# KiCad board rosco_m68k.kicad_pcb (continued)
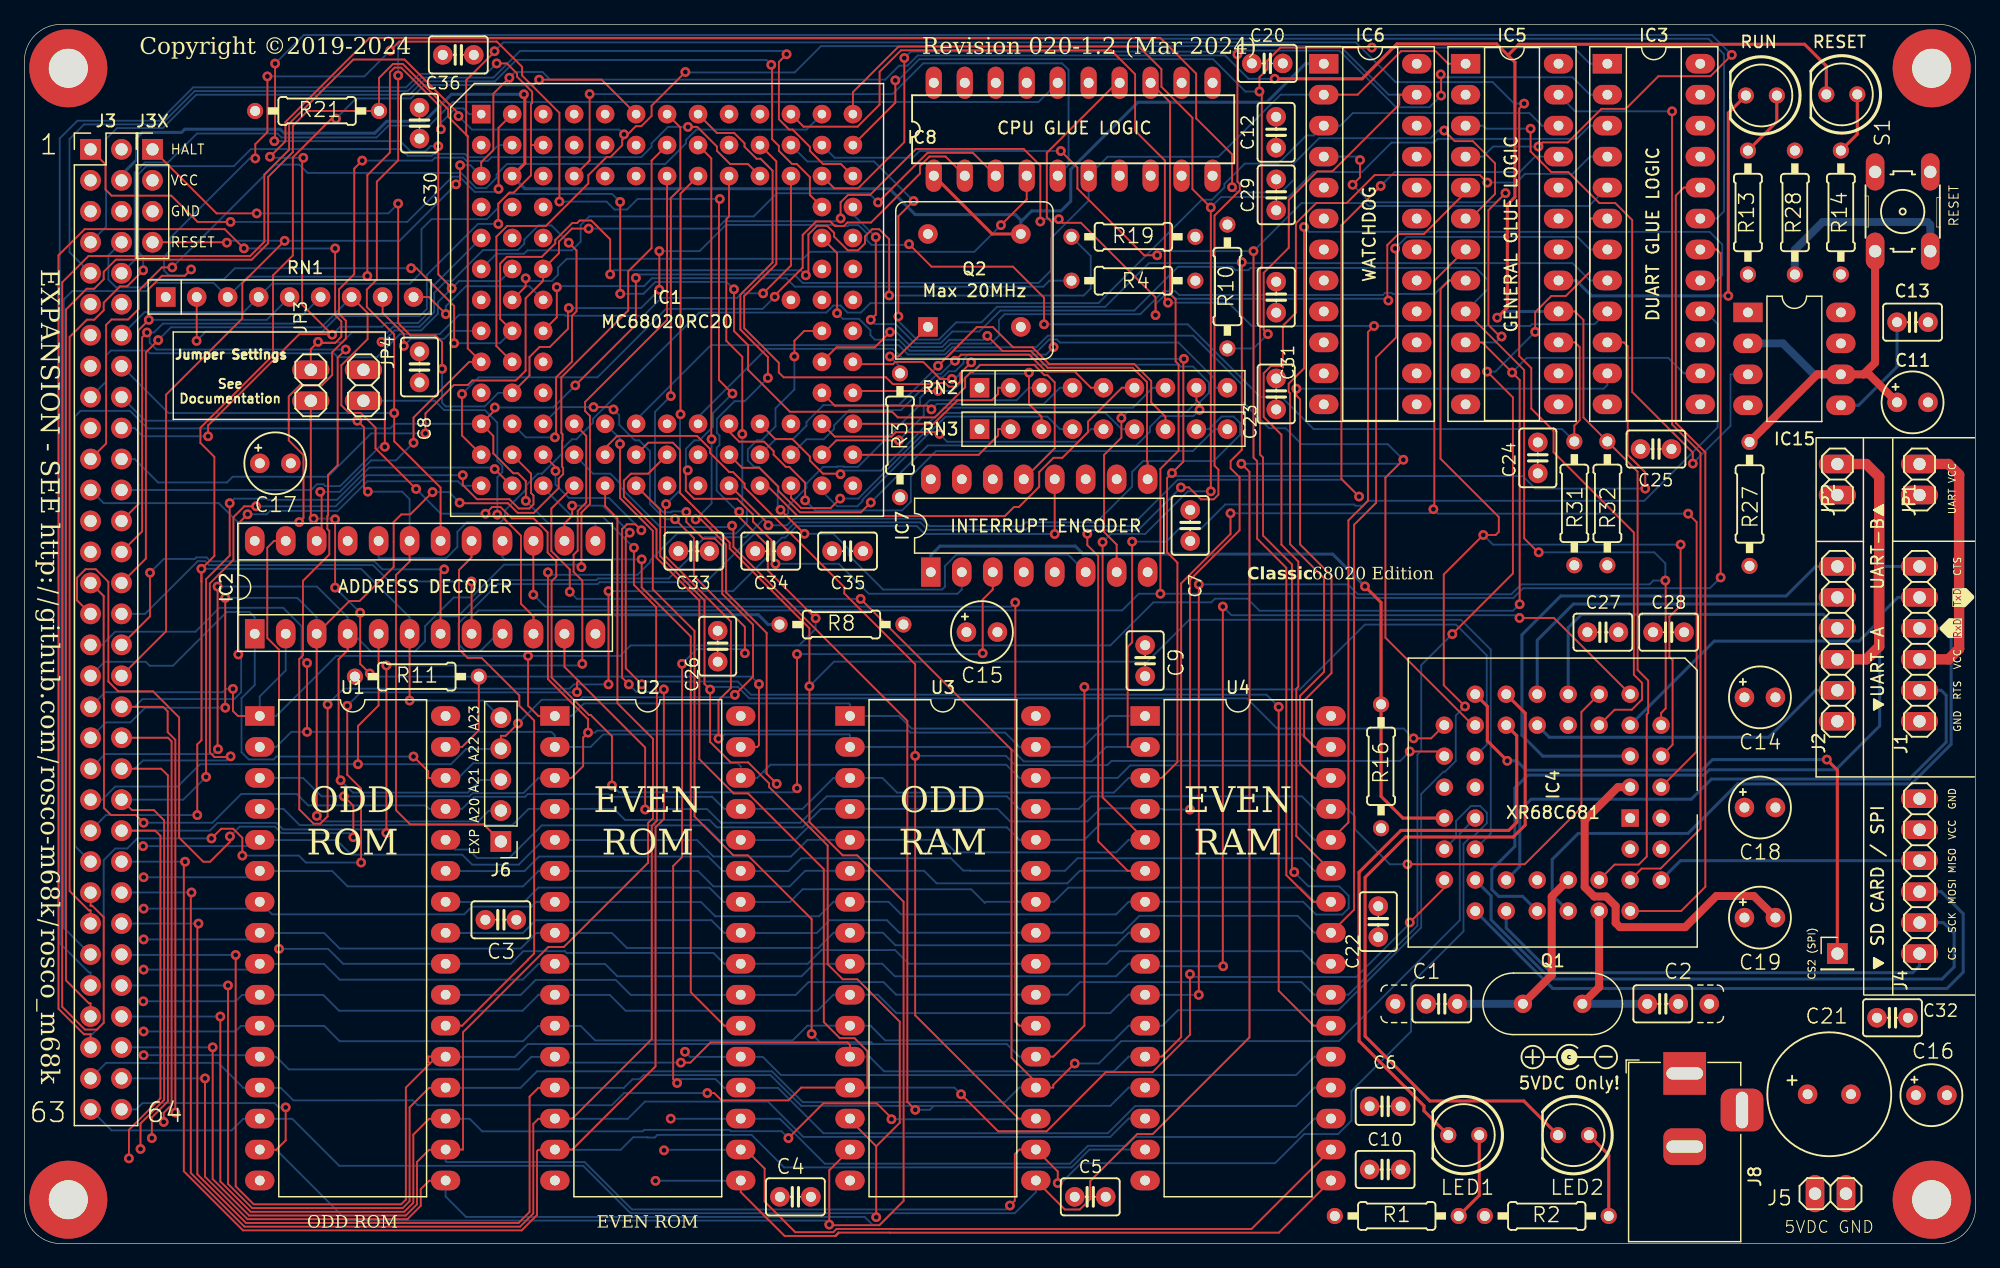
[diagram p0: board, top side]
## Routing (per net, layer and track width the routed paths; a pad name or vN(x,y) marks a point on that pad's centre or on a via; arc(x,y) is an arc through that point) (continued)
D10: length 191.3
  Top w0.152: U2.15 44.93,7.72 51.75,14.54 51.75,34.14 52.43,34.82 v1(52.43,45.46) ; v1(49.56,45.87) 49.01,46.42 49.01,58.6 49.4,59 50.1,59 v1(50.59,58.51) ; 43.48,7.7 42.15,7.7 42.03,7.58 42.03,2.35 40.77,1.09 17.92,1.09 13.07,5.94 13.07,31.22 v1(13.17,31.32) ; IC1.M3 43.55,63.69 v1(43.55,63.37)
  Bottom w0.152: v1(52.43,45.46) 52.22,45.24 50.19,45.24 v1(49.56,45.87) ; v1(43.55,63.37) 43.55,62.25 44.65,61.15 47.95,61.15 v1(50.59,58.51) ; 43.52,7.7 48.9,7.7 49.92,8.72 51.1,8.72 51.12,8.7 51.69,8.7 51.9,8.92 59.63,8.92 62.3,6.25 85.87,6.25 87.34,7.72 U4.15 ; v1(13.17,31.32) 7.97,31.32
D11: length 210.7
  Top w0.152: v1(45.75,47.56) 45.75,54.38 45.03,55.09 45.03,56.5 45.37,56.84 45.37,60.09 46.07,60.79 46.07,66.25 IC1.L4 ; 7.96,33.87 10.73,33.87 11.16,33.44 11.16,11.92 8.57,9.33 v1(8.57,6.99) ; U4.17 102.86,0.9 70.95,0.9 70.95,0.9 66.75,0.9 ; U2.17 58.74,4.22 62.33,0.63 66.48,0.63 66.75,0.9 ; 66.75,0.9 66.53,0.63 66.75,0.85 66.75,0.9 ; v1(29.68,47.42) v1(29.68,33.69)
  Route15 w0.152: v1(51.75,5.15) 51.75,6.17 49.02,8.9 31.89,8.9 31.55,9.25 22.8,9.25 22.4,8.84 13.12,8.84 11.27,6.99 v1(8.57,6.99)
  Bottom w0.152: 58.72,5.16 51.76,5.16 v1(51.75,5.15) ; v1(29.68,33.69) 29.4,33.97 21.21,33.97 20.68,34.5 15.83,34.5 15.2,33.87 7.96,33.87 ; v1(45.75,47.56) 45.61,47.42 v1(29.68,47.42)
D12: length 193.9
  Top w0.152: U4.18 100.62,1.2 71.2,1.2 71.2,1.2 66.6,1.2 66.33,0.94 63.21,0.94 60.7,3.45 60.7,6.16 59.14,7.72 ; 7.96,36.41 8.81,35.56 10.61,35.56 11.46,34.71 11.46,11.79 9.52,9.85 v1(9.52,7.76) ; v1(16.83,60.73) 16.83,56.43 14.9,54.5 v1(14.9,38.28) ; v1(38.56,63.53) 39.93,62.16
  Route15 w0.152: v1(52.45,7.65) 50.7,7.65 49.14,9.21 32.02,9.21 31.67,9.55 22.67,9.55 22.27,9.15 12.99,9.15 11.61,7.76 v1(9.52,7.76)
  Bottom w0.152: v1(38.56,63.53) 38.43,63.65 28.28,63.65 25.63,61.01 19.98,61.01 19.89,61.1 17.21,61.1 v1(16.83,60.73) ; 58.72,7.7 52.5,7.7 v1(52.45,7.65) ; 7.96,36.41 13.03,36.41 v1(14.9,38.28)
D13: length 200.1
  Top w0.152: v1(16.91,39.96) 16.85,39.9 15.59,39.9 15.2,40.29 15.2,54.15 17.14,56.08 17.14,59.58 18.03,60.47 v1(19,60.47) ; v1(10.45,8.66) 10.45,10.35 11.77,11.66 11.77,38.4 11.22,38.95 7.96,38.95 ; v1(35.94,63.03) 35.94,62.22 37.11,61.05 39.77,61.05 40.54,60.29 41.39,60.29 41.75,60.64 41.75,61.36 41.55,61.56 41.55,63.15 IC1.M2
  Route15 w0.152: v1(53,10.25) 51.37,11.88 50.19,11.88 50.06,11.75 28.18,11.75 28.02,11.9 21.22,11.9 21.04,11.72 15.14,11.72 12.07,8.66 v1(10.45,8.66)
  Bottom w0.152: v1(53,10.25) 53.01,10.24 61.95,10.24 65.63,6.56 85.74,6.56 87.21,8.02 90.35,8.02 91.07,8.75 104.28,8.75 105.79,10.26 U4.19 ; v1(19,60.47) 25.53,60.47 28.08,63.03 v1(35.94,63.03) ; 7.96,38.95 9.04,38.95 9.72,39.62 16.57,39.62 v1(16.91,39.96)
D14: length 209.7
  Top w0.152: v1(59.08,48.42) 59.08,50.58 54.9,54.76 54.9,57.87 v1(53.35,59.41) ; v1(11.42,9.98) 11.42,10.73 12.07,11.38 12.07,41.2 11.78,41.49 7.96,41.49 ; v1(53.52,13.18) 53.2,13.5 53.2,30.98 53.93,31.71 v1(53.93,47.56) ; v1(48.31,68.41) 48.11,68.61 v1(46.67,68.61)
  Route15 w0.152: v1(11.42,9.98) 11.82,9.58 12.56,9.58 16.88,13.89 48.33,13.89 48.71,14.28 52.42,14.28 v1(53.52,13.18)
  Bottom w0.152: v1(46.67,68.61) 43.91,68.61 IC1.L3 ; U4.20 105.79,12.8 104.28,11.28 91.07,11.28 88.84,9.06 65.51,9.06 61.79,12.78 57.39,12.78 56.66,13.5 53.85,13.5 v1(53.52,13.18) ; v1(59.08,48.42) 58.74,48.76 55.13,48.76 v1(53.93,47.56) ; v1(48.31,68.41) 48.77,67.95 48.77,67.16 50.05,65.89 50.41,65.89 51.29,65 51.29,60.66 52.54,59.41 v1(53.35,59.41)
D15: length 181.1
  Top w0.152: v1(17.55,48.32) 17.55,59.07 v1(18.3,59.82) ; 7.96,44.03 9.17,44.03 9.17,44.02 11.38,44.02 11.75,43.65 11.75,41.95 12.38,41.32 v1(12.38,10.75)
  Route15 w0.152: v1(12.38,10.75) 13.3,10.75 16.75,14.2 48.2,14.2 49.74,15.74 v1(54.17,15.74)
  Bottom w0.152: v1(54.17,15.74) 54.59,15.32 60.55,15.32 62.04,13.82 104.28,13.82 105.79,15.34 U4.21 ; v1(17.55,48.32) 17.78,48.09 17.78,45.23 17.21,44.67 9.68,44.67 9.04,44.03 7.96,44.03 ; v1(18.3,59.82) 19.87,59.82 20.14,60.1 25.7,60.1 28.12,62.52 35.56,62.52 35.92,62.16 IC1.N1
DBEN: length 13
  Top w0.152: v1(34.56,76.24) 33.16,77.64 RN1.9
  Bottom w0.152: IC1.G3 41.42,78.52 36.2,78.52 34.56,76.88 v1(34.56,76.24)
DS: length 57.9
  Top w0.152: v1(61.53,77.66) 61.53,77.76 63.82,80.05 63.82,82.73 64.92,83.84 66.08,83.84 66.46,83.46 67.19,83.46 67.48,83.75 69.43,83.75 73.44,87.76 73.44,88.39 74.21,89.16 75.54,89.16 IC8.2 ; v1(35.88,69.68) 35.88,66.28 IC1.M1
  Bottom w0.152: v1(61.53,77.66) 60.53,76.67 52.61,76.67 46.99,71.05 37.25,71.05 v1(35.88,69.68)
DSACK0: length 47
  Top w0.152: v1(43.66,78.45) 43.66,75.98 IC1.H3
  Bottom w0.152: v1(43.66,78.45) 43.74,78.53 50.81,78.53 51.46,79.18 62.48,79.18 63.17,78.49 83.56,78.49 84.05,78.98 R4.1
DTACK: length 303.2
  Top w0.152: 24.37,58.05 24.37,61.55 v1(24.26,61.66) ; J3.57 5.42,19.71 5.29,19.71 3.4,21.59 3.4,76.61 5.11,78.32 5.73,78.32 6.5,79.09 6.5,79.7 7.5,80.7 18.64,80.7 19.99,82.05 19.99,87.5 22.01,89.52 22.01,91.69 23.22,92.9 R21.2 29.08,95.61 30.23,96.76 31.02,96.76 34.75,93.04 34.75,92.43 35.76,91.42 35.76,91.42 36.29,90.89 ; v1(38.55,97.8) 38.55,97.75 36.23,95.42 36.23,90.95 36.29,90.89 ; v1(31.91,65.69) 31.91,67.75 36.48,72.32 IC1.J1 36.36,73.42 36.36,90.82 36.29,90.89 ; v1(122.97,93.5) 122.58,93.11 122.58,72.8 123.57,71.81 123.57,68.49 125.39,66.66 125.39,64.91 131.98,58.33 131.98,46.66 132.64,45.99 132.64,44.63 131.81,43.79 130.4,43.79 IC4.10
  Bottom w0.152: v1(31.91,65.69) 30.46,64.24 28.43,64.24 25.85,61.66 v1(24.26,61.66) ; v1(38.55,97.8) 39.28,98.52 109.18,98.52 112.43,95.26 120.4,95.26 122.16,93.5 v1(122.97,93.5)
DUAIACK: length 78.2
  Top w0.152: IC4.41 132.61,30.76 134.17,30.76 137.44,34.03 137.44,64.86 135.11,67.19 135.11,92.87 v1(135.11,92.87)
  Bottom w0.152: 126.48,93.55 127.16,92.87 v1(135.11,92.87) ; 126.48,93.55 IC5.23 126.48,93.55
DUAIRQ: length 62.4
  Top w0.25: v1(109.93,53.91) 111.25,52.59 R16.2 111.25,36.69 113.03,34.9 IC4.24
  Bottom w0.25: v1(109.93,53.91) 107.28,56.55 86.83,56.55 86.18,57.21 75.08,57.21 74.32,56.46 IC7.1
DUASEL: length 67
  Top w0.152: IC4.39 135.86,27.28 137.84,29.26 137.84,64.89 135.41,67.32 135.41,85.96 136.07,86.62 IC3.20
E: length 87.7
  Bottom w0.152: IC8.16 83.16,93.64 35.14,93.64 33.2,91.7 29.85,91.7 28.88,90.73 21.08,90.73 20.75,91.05 14.15,91.05 11.77,88.67 9.87,88.67 9.05,87.85 9.05,80.67 7.96,79.59
EVENRAMSEL: length 103.8
  Top w0.152: IC2.14 44.29,59.07 44.92,59.7 v1(44.92,60.53) ; v1(102.85,44.02) 102.85,20.74 105.71,17.88 U4.22 ; v1(50.63,45.87) 49.31,47.19 49.31,57.99 v1(49.64,58.31)
  Bottom w0.152: v1(102.85,44.02) 101.85,45.03 59.57,45.03 58.49,46.1 50.86,46.1 v1(50.63,45.87) ; v1(44.92,60.53) 47.43,60.53 v1(49.64,58.31)
EVENROMSEL: length 55.2
  Top w0.152: U2.22 57.39,17.88 54.64,20.62 54.64,49.8 50.62,53.82 50.62,56.12 v1(50.62,56.12)
  Bottom w0.152: v1(50.62,56.12) 39.37,56.12 39.21,56.29 IC2.16
EXPSEL: length 65.6
  Top w0.152: IC2.19 31.59,55.95 30.47,54.83 30.47,35.55 31.63,34.39 37.66,34.39 J6.1 ; v1(28.16,61.68) 27.84,62 27.84,66.95 v1(27.3,67.49)
  Bottom w0.152: v1(28.16,61.68) 30.98,61.68 31.59,61.07 IC2.19 ; 7.96,69.43 9.9,67.49 v1(27.3,67.49)
FC0: length 180.6
  Top w0.152: v1(116.42,91.29) 117.29,90.43 118.77,90.43 120.59,88.61 120.59,86.09 118.58,84.08 IC5.6 ; v1(22.87,89.06) 22.78,88.97 22.78,77.01 v1(25.24,74.55) ; v1(15.06,66.22) 15.06,67.11 22.54,74.59 25.2,74.59 ; v1(20.14,89.14) 21.4,90.41 21.4,91.99 28.31,98.89 93.15,98.89 96.08,95.96 96.08,92.29 99.03,89.34 v1(99.03,86.65)
  Bottom w0.152: 7.96,66.89 9.04,66.89 9.72,66.22 v1(15.06,66.22) ; v1(25.24,74.55) 25.89,75.2 29.34,75.2 29.64,75.51 32.28,75.51 33.3,76.53 33.3,78.32 IC1.E1 ; v1(116.42,91.29) 115.92,91.29 115.3,90.66 106.16,90.66 104.12,88.62 104.12,87.29 103.05,86.22 99.46,86.22 v1(99.03,86.65) ; v1(20.14,89.14) 20.22,89.06 v1(22.87,89.06)
FC1: length 145.9
  Top w0.152: v1(66.93,84.09) 66.93,85.41 67.53,86.01 69.34,86.01 73.11,89.78 81.94,89.78 83.31,88.41 v1(83.31,83.83) ; v1(111.85,77.35) 111.76,77.44 111.76,81.9 112.66,82.81 114.76,82.81 118.18,86.22 ; v1(32.89,66.45) 32.89,68.09 35.22,70.42 36.35,70.42 36.73,70.8 40.3,70.8 41.1,71.6 41.1,77.54 42.54,78.98 IC1.F3 43.84,81.24 43.84,82.19 44.9,83.25 v1(46.27,83.25) ; v1(92.75,76.16) 92.75,77.61 86.64,83.73 85.12,83.73 v1(84.82,84.02)
  Bottom w0.152: 7.96,64.35 9.04,64.35 10.96,62.43 16.61,62.43 17.08,62.9 24.88,62.9 28.44,66.45 v1(32.89,66.45) ; v1(84.82,84.02) 83.5,84.02 v1(83.31,83.83) ; v1(66.93,84.09) 66.7,83.86 57.39,83.86 56.78,83.25 v1(46.27,83.25) ; v1(92.75,76.16) 92.75,76.16 92.75,77.05 93.51,77.81 94.1,77.81 94.4,77.5 111.7,77.5 v1(111.85,77.35)
FC2: length 224.5
  Top w0.152: v1(29.55,65.36) 29.55,73.7 v1(29.29,73.96) ; v1(35.04,78.35) 34.76,78.63 34.76,78.67 33.94,79.5 v1(33.94,90.01) ; v1(124.15,89.98) 124.49,90.32 126.56,90.32 129.32,93.07 131.31,93.07 133.98,95.75 138.25,95.75 v1(140,97.5) ; v1(20.56,96.79) 20.56,90.49 v1(20.49,90.42)
  Bottom w0.152: v1(20.56,96.79) 22.9,99.13 138.38,99.13 v1(140,97.5) ; v1(124.15,89.98) 120.43,89.98 119.61,89.16 IC5.4 ; v1(33.94,90.01) 33.31,90.01 32.88,89.58 31.66,89.58 30.82,90.42 v1(20.49,90.42) ; IC1.F2 39.01,78.95 35.64,78.95 v1(35.04,78.35) 33.91,77.22 33.91,76.28 32.53,74.9 30.36,74.9 29.42,73.96 v1(29.29,73.96) ; v1(29.55,65.36) 29.12,65.36 25.89,62.13 24.68,62.13 24.52,62.29 24,62.29 23.52,61.81 7.96,61.81
HALT: length 163.4
  Top w0.152: v1(34.25,71.75) 34.25,73.95 33.7,74.5 31.65,74.5 30.65,75.5 v1(30.65,85.3) ; IC1.K2 41.42,71.2 41.42,72.72 42.25,73.55 43.09,73.55 44.57,75.03 44.57,76.66 v1(44.64,76.73) ; v1(52.06,81.4) v1(52.06,78.23) ; IC5.15 127.15,73.92 127.54,73.53 127.54,67.54 127.1,67.1 R31.1 ; v1(19.05,84.5) 15.75,84.5 J3-X1.1 ; v1(72.54,81.97) 74.38,80.13 81.06,80.13 83.61,77.58 v1(83.61,75.4)
  Bottom w0.152: v1(52.06,81.4) 55.37,81.4 57.52,83.55 66.58,83.55 66.67,83.45 67.5,83.45 67.59,83.54 68.39,83.54 69.08,82.86 69.08,82.31 69.47,81.92 72.48,81.92 v1(72.54,81.97) ; v1(52.06,78.23) 50.56,76.73 v1(44.64,76.73) ; v1(30.65,85.3) 29.85,84.5 v1(19.05,84.5) ; R31.1 126.08,66.81 105.71,66.81 103.08,69.45 101.34,69.45 95.39,75.4 v1(83.61,75.4) ; v1(34.25,71.75) 34.25,68.96 34.54,68.67 37.75,68.67 38.86,69.78 IC1.K2
HWRST: length 50
  Top w0.152: v1(136.81,63.98) 136.81,64.88 131.84,69.85 131.84,83.95 130.45,85.35 129.14,85.35 126.6,87.89 125.21,87.89 123.51,89.58 v1(123.51,91.44)
  Bottom w0.152: IC15.3 139.9,71.3 139.9,67.08 v1(136.81,63.98) ; v1(123.51,91.44) 119.86,91.44 119.61,91.7 IC5.3
IOSEL: length 192.8
  Top w0.152: v1(30.65,95.81) 30.65,88.85 28.9,87.1 28.9,79.07 28.08,78.25 28.08,76.82 30.32,74.58 v1(30.32,68.12) 30.32,65.81 34.13,62 IC2.18
  Bottom w0.152: v1(30.32,68.12) 11.81,68.12 7.96,71.97 ; IC3.19 138.78,84.08 139.37,84.67 139.37,97.55 138.09,98.82 31.11,98.82 30.65,98.36 v1(30.65,95.81)
IPL0: length 38.1
  Top w0.152: v1(78.96,74.45) 80.2,73.21 82.53,73.21 83.9,71.84 90.88,71.84 92.05,70.66 92.05,64.17 92.1,64.12 IC7.9 ; v1(70.98,74.76) 69.74,73.52 66.6,73.52 IC1.J12
  Bottom w0.152: v1(70.98,74.76) 70.98,74.77 71.5,74.77 72.73,73.54 75.25,73.54 75.84,74.13 78.64,74.13 v1(78.96,74.45)
IPL1: length 53.3
  Top w0.152: 68.13,72.13 71.23,72.13 71.42,72.32 73.71,72.32 75.1,70.92 v1(76.05,70.92) ; v1(89.95,67.71) 89.95,66.11 88.53,64.69 88.53,58.37 89.56,57.34 IC7.7
  Bottom w0.152: v1(89.95,67.71) 90.47,68.23 95.32,68.23 96.1,69.01 96.37,69.01 97.13,69.77 97.13,70.63 95.82,71.94 94.82,71.94 94.66,72.09 78.34,72.09 77.9,71.65 77.02,71.65 76.29,70.92 v1(76.05,70.92)
IPL2: length 50.4
  Top w0.152: IC1.H12 63.95,74.86 63.14,74.05 v1(63.14,72.76) ; v1(62,60.18) v1(63.96,58.22)
  Bottom w0.152: IC7.6 85.6,56.5 76.41,56.5 75.49,55.58 75.49,53.88 75.26,53.65 70.42,53.65 67.58,56.48 67.58,56.98 66.34,58.22 v1(63.96,58.22) ; v1(62,60.18) 61.77,60.41 61.77,62.14 60.21,63.71 59.84,63.71 59.32,64.23 59.32,65.13 60.07,65.89 60.45,65.89 61.59,67.02 61.59,68.51 63.14,70.06 v1(63.14,72.76)
IRQ2: length 178.3
  Top w0.152: v1(26.35,73.33) 25.69,72.67 25.69,63.84 24.9,63.05 24.9,59.72 24.84,59.66 24.84,58.62 25,58.46 25,56.52 22.84,54.36 22.84,48.25 22.54,47.94 22.54,35.62 23.72,34.44 24.25,34.44 24.86,35.05 v1(24.86,44.22) ; IC7.12 v1(84.48,58.2) ; v1(10.06,74.73) 9.65,74.32 9.65,71.24 9.65,71.24 9.65,58.42 7.96,56.73 ; v1(47.9,45.87) v1(47.9,53.51)
  Bottom w0.152: v1(47.9,45.87) 45.06,45.87 44.71,45.52 26.16,45.52 v1(24.86,44.22) ; v1(26.35,73.33) 10.84,73.33 10.27,73.89 10.27,74.73 ; 10.27,74.73 v1(10.06,74.73) ; 10.27,74.73 10.62,74.73 11.35,75.46 22.11,75.46 RN1.6 ; v1(84.48,58.2) 73.84,58.2 73.19,58.85 63.33,58.85 62.38,57.91 62.12,57.91 61.2,56.99 61.2,56.61 58.11,53.51 v1(47.9,53.51)
IRQ3: length 111.4
  Top w0.152: v1(48.86,77.9) 48.86,85.43 v1(48.85,85.44) ; IC7.13 84.49,65.24 84.49,70.64 83.9,71.23 83.65,71.23 82.82,72.06 78.37,72.06 77.79,71.48 77.6,71.48 77.14,71.02 77.14,70.23 74.67,67.77 71.62,67.77 71.15,68.23 62.77,68.23 59.34,71.66 59.34,73.69 58.18,74.85 v1(58.18,78.27)
  Bottom w0.152: 7.96,74.51 9.85,76.39 17.96,76.39 RN1.4 20.3,78.73 31.6,78.73 32.56,79.69 32.56,83.2 33.39,84.03 37.92,84.03 38.84,84.95 38.84,85.26 39.67,86.09 48.2,86.09 v1(48.85,85.44) ; v1(48.86,77.9) 50.77,77.9 51.74,78.88 57.58,78.88 v1(58.18,78.27)
IRQ5: length 163.1
  Top w0.152: v1(57.02,85.68) 56.95,85.61 56.95,70.83 v1(58.06,69.72) ; v1(13.67,79.9) 13.15,79.38 11.28,79.38 10.2,78.31 v1(10.2,75.76) 9.34,74.91 9.34,62.25 9.35,62.25 9.35,60.66 7.96,59.27 ; v1(43.87,85.47) 43.87,92.75 40.81,95.8 40.81,96.52 38.74,98.59 30.73,98.59 v1(29.99,97.85) ; v1(18.93,89.01) 18.93,90.18 19.93,91.17 v1(19.93,95.73) ; v1(54.39,63.43) 54.23,63.27 54.23,61.76 54.91,61.09 58.44,61.09 59.74,59.8 59.74,59.22 61.26,57.7 61.26,56.09 v1(61.59,55.76)
  Bottom w0.152: v1(57.02,85.68) 50.28,85.68 49.41,84.81 48.39,84.81 47.73,85.47 v1(43.87,85.47) ; v1(61.59,55.76) 66.78,55.76 69.23,53.3 76.52,53.3 76.86,53.65 IC7.2 ; v1(18.93,89.01) 18.47,89.01 11.95,82.48 11.95,81.45 11.45,80.95 11.45,79.82 11.86,79.4 13.17,79.4 v1(13.67,79.9) ; v1(19.93,95.73) 27.88,95.73 v1(29.99,97.85) ; v1(58.06,69.72) 56.46,68.12 56.46,66.99 55.36,65.89 54.94,65.89 54.25,65.19 54.25,63.57 v1(54.39,63.43) ; RN1.5 19.87,75.76 v1(10.2,75.76)
IRQ6: length 143.6
  Top w0.152: v1(78.58,48.42) 78.58,52.82 79.41,53.65 IC7.3 ; v1(10.97,74.1) 9.96,73.09 9.96,56.18 7.96,54.19 ; v1(48.18,37.58) 48.18,41.61 46.44,43.35 46.31,43.35 43.23,46.43 43.23,54.33 43.61,54.71 43.61,55.98 42.91,56.68 42.91,58.34 41.76,59.48 39.97,59.48 39.04,60.42 38.36,60.42 v1(37.81,59.87) ; RN1.7 28.14,76.33 28.14,74.19 25.99,72.04 25.99,68.76 26.61,68.14 27.57,68.14 28.79,66.92 28.79,65.22 v1(32.12,61.9) ; v1(63.36,37.35) v1(63.36,48.35)
  Bottom w0.152: v1(63.36,48.35) 78.5,48.35 v1(78.58,48.42) ; v1(63.36,37.35) 63.03,37.02 48.75,37.02 v1(48.18,37.58) ; RN1.7 24.35,75.16 12.02,75.16 v1(10.97,74.1) ; v1(32.12,61.9) 34.15,59.87 v1(37.81,59.87)
LDS: length 212.8
  Top w0.152: IC8.13 93.94,93.62 93.94,77.9 94.4,77.44 94.4,72.35 94.64,72.11 94.64,65.04 93.15,63.54 v1(93.15,53.3) ; v1(36.67,54.31) IC2.8 ; v1(139.09,54.64) 139.09,81.22 138.78,81.54 IC3.18
  Bottom w0.152: IC2.8 36.67,51.37 37.23,51.94 90.01,51.94 91.38,53.3 v1(93.15,53.3) 108.87,53.3 109.21,52.96 122.1,52.96 122.9,53.76 138.21,53.76 v1(139.09,54.64) ; v1(36.67,54.31) 29.92,54.31 28.58,55.65 15.15,55.65 14.82,55.98 14.22,55.98 9.89,51.65 7.96,51.65
LGEXP: length 52.7
  Top w0.152: IC2.10 41.75,51.45 40.72,52.48 40.72,58.07 38.99,59.79 v1(38.78,59.79)
  Bottom w0.152: v1(38.78,59.79) 38.78,62.86 39.19,63.27 39.19,63.79 38.78,64.2 38.78,67.34 37.76,68.36 34.42,68.36 33.65,69.13 JP4.1
  Bottom w0.25: R8.2 60.99,50.78 60.18,51.58 41.86,51.58 41.75,51.47 IC2.10
ODDRAMSEL: length 80.7
  Top w0.152: v1(41.73,53.23) 41.73,57.62 ; v1(81.25,52.59) 81.26,52.58 81.26,38.68 81.25,38.68 81.25,18.21 81.59,17.88 U3.22
  Bottom w0.152: v1(81.25,52.59) 80.9,52.24 42.72,52.24 v1(41.73,53.23)
ODDROMSEL: length 47.2
  Top w0.152: U1.22 35.89,17.88 41.3,23.28 41.3,23.3 41.8,23.8 41.8,42.9 40.58,44.12 40.58,44.96 39.06,46.48 39.05,46.48 37.49,48.04 36.34,48.04 35.64,48.74 35.64,55.26 36.67,56.29 IC2.17
RESET: length 277.9
  Top w0.152: 130.51,65.09 R32.1 ; 130.51,65.09 132.28,63.32 132.28,47.05 133.15,46.18 133.15,43.52 133.03,43.4 133.03,31.75 132.37,31.09 130.4,31.09 IC4.38 ; 130.51,65.09 R32.1 ; R32.1 127.84,67.76 127.84,75.76 127.15,76.46 IC5.16 ; 7.96,46.57 11.61,50.22 11.61,69.62 17.87,75.88 17.87,78.78 v1(21.34,82.25) ; v1(35.73,88.45) 35.73,87.22 v1(35.39,86.88) ; J3-X1.4 16.57,82.13 v1(16.6,82.1) ; IC1.C1 37.46,88.7 38.45,89.69 38.45,94.31 v1(39.77,95.63)
  Top w0.25: 121.65,97.47 122.55,98.37 145.97,98.37 147.76,96.58 LED4.K ; 121.65,97.47 122.22,96.89 122.22,85.84 121.6,85.22 121.6,76.78 v1(120.78,75.95) ; 121.65,97.47 120.72,98.4 112.55,98.4 109.69,95.54 v1(102.52,95.54)
  Bottom w0.152: v1(35.73,88.45) 36.57,88.45 IC1.C1 ; v1(16.6,82.1) 16.76,82.26 21.33,82.26 v1(21.34,82.25) 30.76,82.25 v1(35.39,86.88) ; v1(39.77,95.63) 40.23,96.09 42.48,96.09 43.11,95.47 70.59,95.47 71.73,96.61 72.41,96.61 73.25,97.45 98.46,97.45 100.37,95.54 v1(102.52,95.54)
  Bottom w0.25: IC5.16 121.28,76.46 v1(120.78,75.95)
ROM_RW: length 71.9
  Top w0.152: v1(28.32,46.76) 27.54,47.55 v1(27.54,51.75) ; v1(25.48,53.81) v1(25.48,59.41) ; U2.31 60.09,40.74 60.23,40.88 v1(60.23,45.89) ; R11.2 37.26,42.1 35.89,40.74 U1.31 ; JP3.2 23.48,59.69 v1(23.71,59.46)
  Bottom w0.152: v1(25.48,59.41) 25.42,59.46 v1(23.71,59.46) ; v1(60.23,45.89) 59.61,46.51 R11.2 28.57,46.51 v1(28.32,46.76) ; v1(27.54,51.75) v1(25.48,53.81)
RTSA: length 49.7
  Bottom w0.25: IC4.32 122.62,30.93 122.62,35.52 123.55,36.45 136.69,36.45 138.34,38.1 154.57,38.1 157.59,41.13 157.59,44.96 157.17,45.38 J1.2
RTSB: length 26.6
  Bottom w0.25: J2.2 146.89,45.38 143.04,41.53 125.04,41.53 IC4.14
RUNLED: length 31.5
  Top w0.25: v1(139.72,77.74) 139.72,92.73 LED3.K
  Bottom w0.25: v1(139.72,77.74) 139.72,77.73 128.51,77.73 127.25,79 IC5.17
RW: length 334.5
  Top w0.152: IC4.9 127.67,43.6 127.67,35.77 123.02,31.11 v1(113.41,31.11) ; v1(17.87,31.83) 17.87,33.28 17.12,34.03 16.13,34.03 v1(15.34,33.23) ; v1(43.5,66.13) 43.6,66.23 43.6,71.05 44.9,72.36 44.9,76.1 45.27,76.47 45.27,81.46 v1(44.63,82.1) ; v1(26.47,44.11) 26.47,38.46 27.61,37.32 v1(27.61,31.26) ; J3.59 5.42,17.17 4.89,17.17 2.79,19.26 2.79,81.06 4.94,83.21 16.42,83.21 v1(18,81.63) ; IC2.11 44.29,47.3 45.44,46.15 ; 45.44,46.15 50.9,40.68 v1(50.9,35.61) ; 45.44,46.15 45.31,46.02 v1(45.31,45.23) ; JP3.1 23.48,73.36 v1(24.08,73.96) 24.08,73.87 25.48,73.87 25.99,74.38 25.99,75.64 25.48,76.15 v1(25.48,81.62)
  Bottom w0.152: v1(50.9,35.61) 50.94,35.64 55.98,35.64 57.1,34.52 63.63,34.52 65.8,36.68 80.56,36.68 81.59,35.66 U3.29 86.46,35.66 87.48,36.68 104.76,36.68 105.79,35.66 U4.29 108.49,35.66 109.12,35.03 109.12,33.97 111.97,31.11 v1(113.41,31.11) ; v1(44.63,82.1) 43.22,83.51 42.16,83.51 40.99,82.35 40.99,82.01 40.47,81.49 37.61,81.49 35.1,78.98 34.6,78.98 33.61,77.99 33.61,76.4 32.4,75.2 30.23,75.2 29.76,74.73 26.86,74.73 26.05,73.92 24.12,73.92 v1(24.08,73.96) ; v1(27.61,31.26) 23.08,31.26 22.51,31.83 v1(17.87,31.83) ; v1(25.48,81.62) 18.01,81.62 v1(18,81.63) ; v1(26.47,44.11) 27.58,45.21 45.29,45.21 v1(45.31,45.23) ; J3.59 5.42,17.17 5.56,17.17 6.5,18.11 6.5,31.46 7.46,32.41 8.43,32.41 9.26,33.23 v1(15.34,33.23) ; v1(43.5,66.13) 41.11,66.13 IC1.L2
RXDA: length 53
  Bottom w0.25: J1.4 157.17,50.46 157.99,49.64 157.99,40.96 154.73,37.7 140.48,37.7 136.42,33.64 127.41,33.64 125.28,31.5 125.28,28.59 IC4.35
RXDB: length 28.5
  Bottom w0.25: J2.4 147.52,51.61 127.68,51.61 126.59,50.52 IC4.11
SIZ0: length 48.3
  Top w0.152: IC8.3 77.77,89.47 74.06,89.47 70.67,86.07 70.67,86.07 v1(70,85.4)
  Bottom w0.152: IC1.F1 38.7,81.18 40.96,81.18 41.25,81.47 44.9,81.47 45.61,82.18 45.61,83.54 46.32,84.25 59.8,84.25 61.7,86.15 69.25,86.15 v1(70,85.4)
SIZ1: length 48.5
  Top w0.152: v1(41.1,79.17) 41.1,78.5 IC1.G2 ; IC8.4 82.19,85.65 v1(80.08,83.53)
  Bottom w0.152: v1(41.1,79.17) 41.32,78.95 43.25,78.95 43.75,79.45 43.75,80.05 44.48,80.78 63.86,80.78 64.44,81.35 77.89,81.35 v1(80.08,83.53)
SPICLK: length 50.2
  Bottom w0.25: IC4.30 120.27,28.53 120.27,26.56 125.13,21.7 157.25,21.7 158.24,22.69 158.24,25.45 157.35,26.33 J4.2
SPICS: length 38
  Bottom w0.25: IC4.31 121.51,25.88 125.18,22.22 154.84,22.22 155.4,22.78 J4.1
SPICS2: length 49.7
  Top w0.25: IC4.17 119.96,44.07 119.96,41.24 v1(121.6,39.6) ; v1(147.8,39.7) 148.66,38.84 J7.1
  Bottom w0.25: v1(121.6,39.6) 122.37,39.6 123.13,38.83 137.56,38.83 138.43,39.7 v1(147.8,39.7)
SPIMISO: length 21.8
  Bottom w0.25: J4.4 135.8,31.41 IC4.40
SPIMOSI: length 52.3
  Bottom w0.25: J4.3 157.17,28.87 157.74,28.3 157.74,28.3 158.98,27.06 158.98,22.26 157.65,20.92 125.33,20.92 IC4.29
TXDA: length 58.5
  Bottom w0.25: IC4.33 122.85,28.48 120.88,28.48 120.32,29.04 120.32,30.68 122.22,32.58 122.22,37.37 123.28,38.43 137.73,38.43 138.16,38.86 148.54,38.86 152.13,42.46 152.13,51.51 153.63,53 J1.5
TXDB: length 29.7
  Bottom w0.25: IC4.13 124.05,49.49 127.02,52.46 148.12,52.46
UD0: length 20
  Top w0.152: v1(82.38,71.43) 82.38,68.86 83.41,67.83 RN3.3 ; v1(74.92,69.93) 68.09,69.93
  Bottom w0.152: v1(74.92,69.93) 76.12,69.93 77.53,71.35 82.29,71.35 v1(82.38,71.43)
UD1: length 21.8
  Top w0.152: v1(74.38,68.42) 74.07,68.73 66.45,68.73 IC1.K12
  Bottom w0.152: v1(74.38,68.42) 74.82,68.87 83.58,68.87 84.92,70.2 RN2.4
UD2: length 14.5
  Top w0.152: RN2.2 79.84,70.2 79.84,69.69 79.32,69.17 76.51,69.17 74.58,67.24 IC1.L13
UD3: length 24.4
  Top w0.152: v1(75.03,66.41) 74.88,66.55 71.46,66.55 71.1,66.19 66.45,66.19 IC1.L12
  Bottom w0.152: v1(75.03,66.41) 75.67,65.77 86.43,65.77 87.46,66.8 RN3.5
UD4: length 14.1
  Top w0.152: IC1.M13 78.25,64.7 79.84,66.29 79.84,66.8 RN3.2
UD5: length 20.7
  Top w0.152: v1(71.71,65.89) 66.59,65.89 IC1.M12
  Bottom w0.152: RN2.3 82.38,70.2 81.35,69.17 74.24,69.17 73.75,68.68 73.75,67.93 v1(71.71,65.89)
UD6: length 30.3
  Top w0.152: RN2.5 87.46,70.2 86.12,71.53 83.78,71.53 82.4,72.91 76.8,72.91 v1(76.31,72.41)
  Bottom w0.152: IC1.M11 64.13,65.97 65.55,65.97 66.39,66.81 66.39,67.11 67.64,68.36 71.88,68.36 74.86,71.34 75.15,71.34 76.22,72.41 v1(76.31,72.41)
UD7: length 38.1
  Top w0.152: IC1.L10 61.56,66 62.97,66 64.41,64.56 64.41,64.23 65.49,63.15 66.88,63.15 v1(66.92,63.11)
  Bottom w0.152: RN2.7 92.54,70.2 90.9,68.56 75.41,68.56 70.25,63.4 67.21,63.4 v1(66.92,63.11)
UD8: length 24.6
  Bottom w0.152: RN3.4 84.92,66.8 83.89,67.83 75.54,67.83 68.73,61.02 68.73,60.9 68.31,60.48 66.63,60.48 65.4,61.71
UD9: length 33.3
  Top w0.152: IC1.N11 62.86,61.17 63.7,60.33 66.11,60.33 v1(66.89,61.11)
  Bottom w0.152: v1(66.89,61.11) 68.38,61.11 75.41,68.13 88.64,68.13 89.98,66.8 RN3.6
UD10: length 42.9
  Top w0.152: v1(74.92,72) 78.09,75.17 79.42,75.17 81.07,73.52 82.65,73.52 84.03,72.14 91,72.14 92.4,70.75 92.4,69 93.56,67.83 RN3.7
  Bottom w0.152: v1(74.92,72) 71.69,68.77 65.51,68.77 64.13,67.39 64.13,67.08 63.02,65.97 61.59,65.97 IC1.M10
UD11: length 48.5
  Top w0.152: v1(64.02,60.96) 64.02,62.41 62.72,63.71 62.43,63.71 61.44,64.7 61.44,64.99 60.66,65.77 58.61,65.77 57.78,66.6
  Bottom w0.152: RN3.9 97.62,66.8 95.82,65 74.76,65 72.69,62.94 72.69,60.85 71.98,60.14 64.84,60.14 v1(64.02,60.96)
UD12: length 36.7
  Top w0.152: 60.91,62.16 63.4,59.67 80.4,59.67 81.14,60.42 81.55,60.42 83.22,62.08 83.22,63.28 84.38,64.45 85.11,64.45 87.22,66.56 87.22,67.42 90,70.2 RN2.6
UD13: length 46.4
  Top w0.152: RN2.8 96.1,69.17 96.36,68.91 v1(96.36,68.38) ; v1(69.4,60.79) 68.59,59.98 63.6,59.98 61.82,61.76 61.82,62.07 60.26,63.63 58.85,63.63 IC1.M9
  Bottom w0.152: v1(69.4,60.79) 74.08,65.47 91.17,65.47 92.29,66.59 92.29,66.98 93.18,67.87 95.85,67.87 v1(96.36,68.38)
UD14: length 52.7
  Top w0.152: v1(61,58.91) 61,59.03 57.87,62.16
  Bottom w0.152: RN3.8 97.13,66.8 98.17,67.84 99.16,67.84 99.69,67.31 99.69,66.34 97.53,64.19 91.73,64.19 90.84,63.29 90.84,62.09 87.9,59.16 82.08,59.16 81.78,58.85 74.2,58.85 73.59,59.46 63.07,59.46 62.53,58.91 v1(61,58.91)
UD15: length 48.7
  Bottom w0.152: RN2.9 97.62,70.2 97.62,70.92 94.63,73.91 84.91,73.91 84.65,74.16 84.05,74.16 83.1,73.22 76.22,73.22 75.63,72.62 71.99,72.62 71.23,73.39 60.84,73.39 55.24,67.79
UDS: length 123.8
  Top w0.152: IC2.7 34.13,54.99 34.42,55.28 v1(34.42,55.3) ; 7.96,49.11 10.3,51.44 v1(10.3,55.03) ; 89.58,95.21 83.84,89.46 83.84,84.2 84.24,83.79 84.24,73.69 v1(84.39,73.54)
  Bottom w0.152: IC2.7 34.13,51.45 35.56,51.45 38.54,54.43 46.91,54.43 47.03,54.55 52.84,54.55 54.66,56.37 54.66,56.8 55.8,57.94 59.14,57.94 60.75,59.55 62.26,59.55 62.63,59.92 62.63,60.51 64.13,62.01 64.13,62.34 65.5,63.71 66.63,63.71 66.66,63.74 67.18,63.74 67.21,63.71 68.35,63.71 73.44,68.8 73.44,69.36 75.11,71.03 75.27,71.03 75.79,71.55 76.33,71.55 77.01,72.22 77.01,72.54 77.38,72.91 83.77,72.91 v1(84.39,73.54) ; v1(34.42,55.3) 29.36,55.3 28.71,55.96 15.27,55.96 14.95,56.28 14.09,56.28 13.97,56.16 11.43,56.16 v1(10.3,55.03)
VPA: length 117.8
  Top w0.152: v1(64.08,79.42) 64.29,79.63 64.29,82.77 65,83.48 65.82,83.48 66.39,82.91 66.39,82.6 67.52,81.47 68.36,81.47 68.93,82.04 68.93,82.61 69.52,83.2 70.09,83.2 70.91,82.38 v1(70.91,77.77) ; v1(31.71,80) 32.15,80 35.24,76.91 v1(35.24,73.85) ; v1(48.03,79.5) 48.03,82.37 46.49,83.91 45.53,83.91 45.33,83.71 44.92,83.71 43.53,82.31 43.53,82.04 42.42,80.93 39.56,80.93 39.01,80.38 39.01,75.85 IC1.H2
  Bottom w0.152: v1(70.91,77.77) 70.92,77.76 86.86,77.76 87.44,78.34 87.44,81 R19.2 ; v1(35.24,73.85) 38.99,73.85 IC1.H2 ; v1(48.03,79.5) 48.36,79.83 63.67,79.83 v1(64.08,79.42) ; 7.96,82.13 6.89,81.05 6.89,79.06 7.52,78.43 9.87,78.43 10.54,79.1 16.36,79.1 17.26,80 v1(31.71,80)
WR: length 124.4
  Top w0.152: v1(20.88,24.17) 20.88,48.71 19.92,49.68 19.92,57.08 20.47,57.64 IC2.23
  Bottom w0.152: U1.24 39.89,22.96 40.92,23.98 44.33,23.98 44.47,23.84 56.5,23.84 57.39,22.96 U2.24 64.24,22.96 65.36,24.08 71.39,24.08 72.51,22.96 U3.24 88.76,22.96 89.78,23.98 104.76,23.98 105.79,22.96 U4.24 ; 34.53,22.95 26.13,22.95 24.91,24.17 v1(20.88,24.17)
Net-(IC4-OP3): length 58.5
  Top w0.25: IC4.15 123.06,43.51 123.06,34.33 122.08,33.35 113.25,33.35 109.94,30.04 109.94,17.01 115.25,11.7 122.95,11.7 LED2.K
Net-(IC4-OP5): length 47.5
  Top w0.25: LED1.K 114.76,10.89 114.76,11.3 109.44,16.62 109.44,30.46 112.87,33.89 121.71,33.89 122.37,34.55 122.37,41.66 IC4.16
Net-(IC4-X1/CLK): length 17.1
  Top w0.65: Q1.1 125.25,22.04 125.24,22.04 125.24,28.47 IC4.36
  Bottom w0.65: Q1.1 117.49,19.67
Net-(IC4-X2): length 13.5
  Top w0.65: IC4.37 129.13,21.05 129.14,21.05 Q1.2
  Bottom w0.65: Q1.2 133.08,19.67
Net-(IC15-CV): length 9.6
  Bottom w0.25: IC15.5 150.4,68.76 153.56,71.91 C13.2
Net-(IC15-THR): length 36.6
  Top w0.152: 151.76,79.33 S1.1
  Top w0.65: S1.1 151.76,72.25 150.8,71.3 ; C11.+ 151.26,71.3 150.8,71.3 ; 150.8,71.3 IC15.6 147.01,71.3 141.46,65.75
  Bottom w0.65: IC15.6 146.74,71.3 144.2,73.84 IC15.2
Net-(LED1-PadA): length 7.3
  Top w0.25: LED1.A 119.3,3.95 R1.1
Net-(LED2-PadA): length 7.3
  Top w0.25: R2.1 129.92,7.28 LED2.A
Net-(LED3-PadA): length 5.5
  Top w0.25: LED3.A 143.7,92.02 R13.1
Net-(LED4-PadA): length 5.2
  Top w0.25: LED4.A 150.3,91 R14.1
Net-(Q2-EN): length 5.3
  Top w0.152: Q2.1 71.66,72.76 v1(70.97,72.76)
  Bottom w0.152: 71.8,71.93 v1(70.97,72.76)
Net-(S1-P): length 15.3
  Bottom w0.65: 156.28,82.49 156.28,83.57 156.06,83.79 147.46,83.79 145.18,81.51 R28.2

## Copper pours and planes (outline as drawn; the poured copper is in the pictures)
GND on Route2: 160.7,97.95 160.7,1.43 158.16,-1.11 1.95,-1.11 -0.59,1.43 -0.59,97.95 1.95,100.49 158.16,100.49
VCC on Route15: 160.7,97.95 160.7,1.43 158.16,-1.11 1.95,-1.11 -0.59,1.43 -0.59,97.95 1.95,100.49 158.16,100.49

## Text on the board
B.Silkscreen: Certified Open / Source Hardware | rosco_m68k classic 68020
F.Silkscreen: UART VCC | CS2 (SPI) | GND | VCC | MISO | MOSI | SCK | CS | CTS | TxD | RxD | RTS | RESET | A23 | A22 | A21 | A20 | EXP | See / Documentation | Jumper Settings | HALT | 5VDC GND | RUN | J3X | ADDRESS DECODER | MC68020RC20 | Max 20MHz | INTERRUPT ENCODER | CPU GLUE LOGIC | XR68C681 | 5VDC Only! | WATCHDOG | GENERAL GLUE LOGIC | DUART GLUE LOGIC | ▼UART-A    UART-B▲ | ▼ SD CARD / SPI | 63 | 1 | 64 | ODD ROM | EVEN ROM | 68020 Edition | Classic | Revision 020-1.2 (Mar 2024) | Copyright ©2019-2024 | EXPANSION - SEE http://github.com/rosco-m68k/rosco_m68k | ODD / ROM | EVEN / ROM | ODD / RAM | EVEN / RAM
